# KiCad board jetson-agx-thor-baseboard.kicad_pcb (continued)
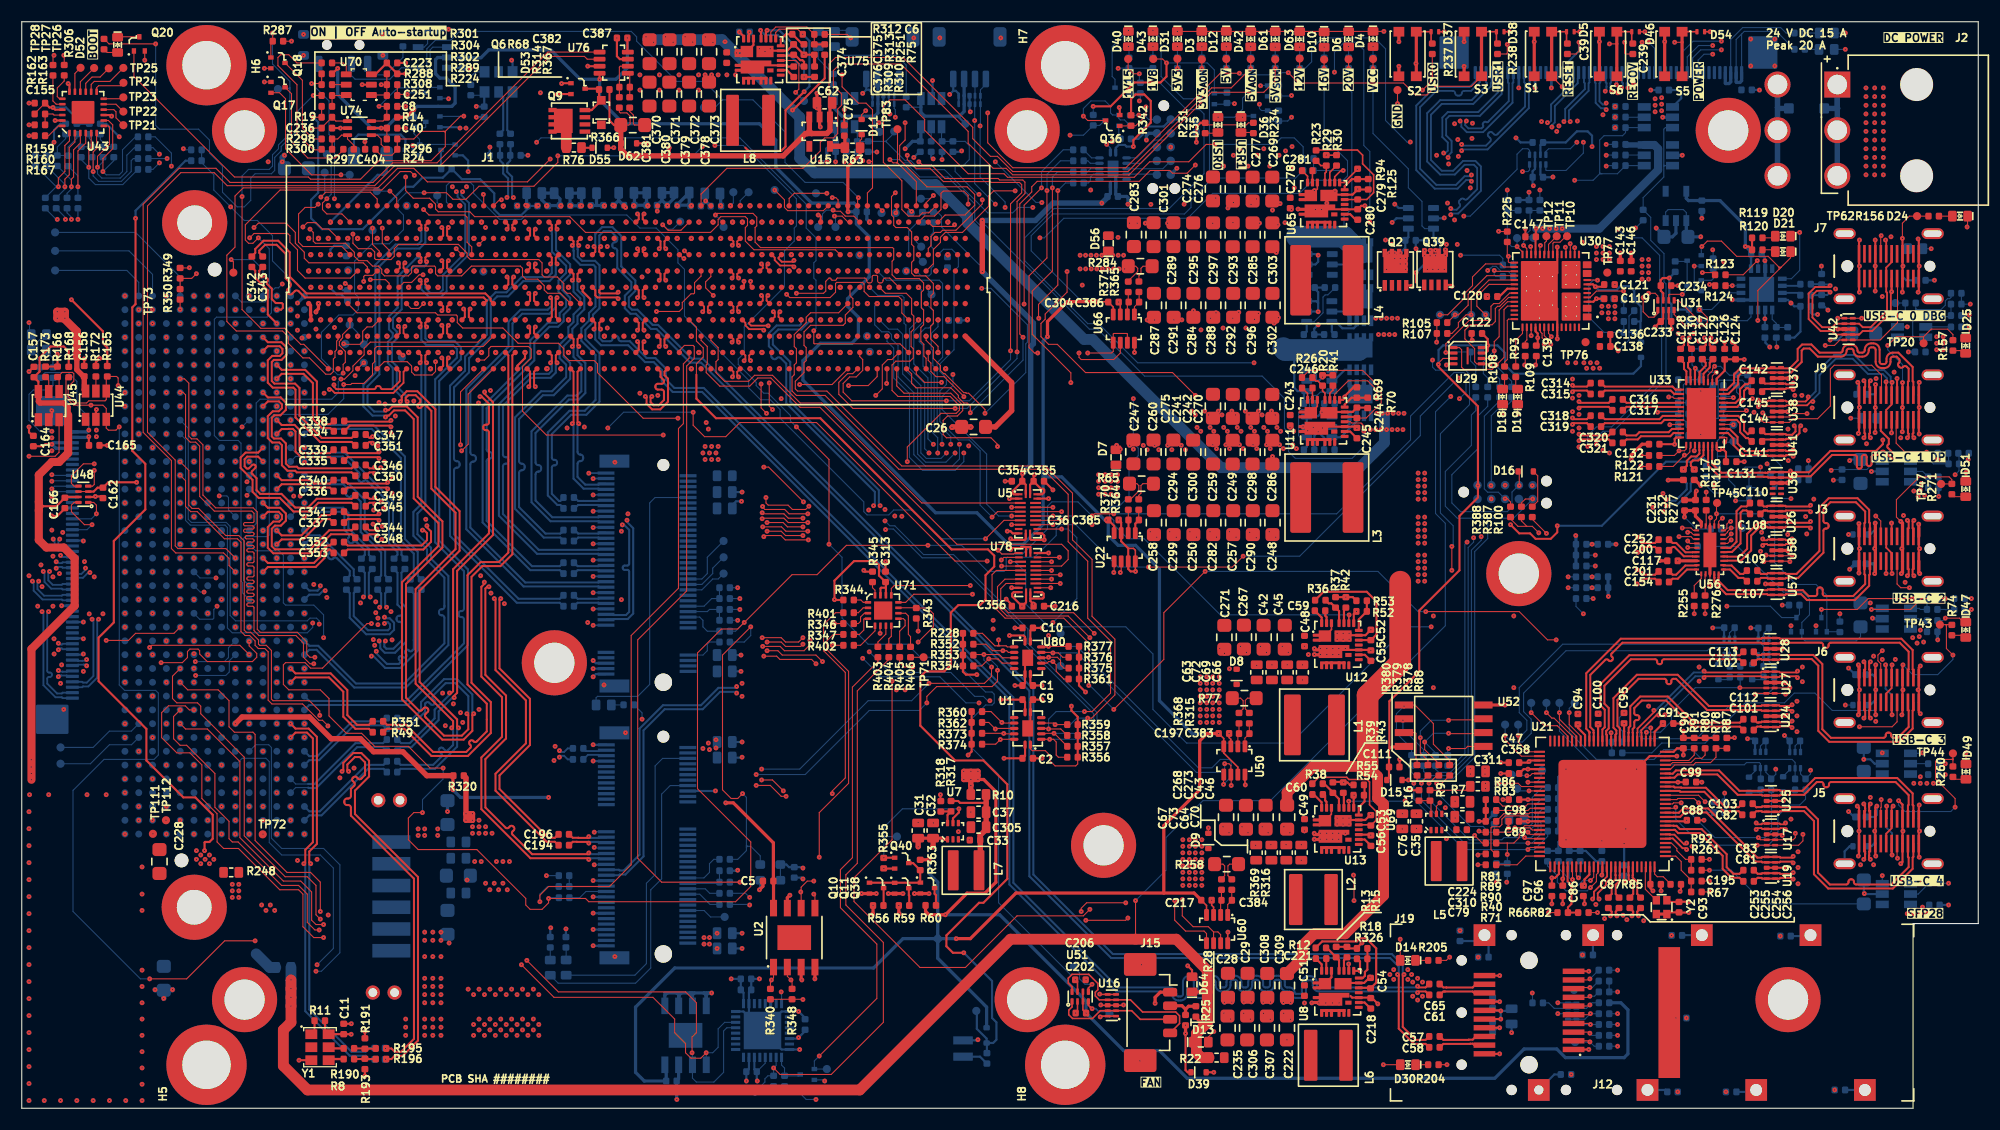
[diagram p0: board, top side]
## Library data of the parts (continued)
C34 C84 C226 C251 C261 C262 C265 C266 C359 C365 C366 C404 = -: Datasheet: https://www.murata.com/products/productdetail?partno=GRM155R61E105KE11%23; Description: SMD Multilayer Ceramic Capacitor, 1 µF, 25 V, 0402 [1005 Metric], ± 10%, X5R, GRM Series; MPN: GRM155R61E105KE11J; Manufacturer: Murata; License: Apache-2.0; Author: Antmicro; Val: 1u; Voltage: 25V; Dielectric: X5R
C37 C71 C74 C168 C170 C198 C310 = -: Datasheet: https://product.samsungsem.com/mlcc/CL10A226MO7JZN.do; Description: SMD Multilayer Ceramic Capacitor; MPN: CL10A226MO7JZNC; Manufacturer: Samsung Electro-Mechanics; License: Apache-2.0; Author: Antmicro; Val: 22u; Voltage: 16V
C50 C227-C230 = -: Datasheet: https://product.samsungsem.com/mlcc/CL21A226MAYNNN.do; Description: SMT Multilayer Ceramic Capacitor, 22uF, +/-20%, 25V, X5R, 0805 [2012 Metric]; MPN: CL21A226MAYNNNE; Val: 22u; Voltage: 25V; Dielectric: X5R; Manufacturer: Samsung Electro-Mechanics; License: Apache-2.0; Author: Antmicro; Public: False
C52-C54 C160 C161 C164 C165 C244 C279 C375 = -: Datasheet: https://product.tdk.com/en/search/capacitor/ceramic/mlcc/info?part_no=C1005X6S1A105K050BC; Description: SMD Multilayer Ceramic Capacitor, 1 µF, 10 V, 0402 [1005 Metric], ± 10%, X6S, C; Manufacturer: TDK; MPN: C1005X6S1A105K050BC; Val: 1u; License: Apache-2.0; Author: Antmicro
C55 C56 C218 C245 C280 C376 = -: Datasheet: https://www.murata.com/products/productdetail?partno=GRM155C61E475ME15%23; Description: SMD Multilayer Ceramic Capacitor; MPN: GRM155C61E475ME15J; Manufacturer: Murata; License: Apache-2.0; Author: Antmicro; Val: 4u7; Voltage: 25V; Dielectric: X5S
C57 C58 C61 C65 = -: Datasheet: https://www.murata.com/products/productdetail?partno=GRM155R61H104KE14%23; Description: SMD Multilayer Ceramic Capacitor, 0.1 µF, 50 V, 0402 [1005 Metric], ± 10%, X5R, GRM Series; Manufacturer: Murata; MPN: GRM155R61H104KE14D; Val: 100n; License: Apache-2.0; Author: Antmicro; Voltage: 50V; Dielectric: X5R; Public: False
C62-C64 C66 C67 C69 C70 C72 C73 C311 C312 = -: Datasheet: https://product.samsungsem.com/mlcc/CL10A226MO7JZN.do; Description: SMD Multilayer Ceramic Capacitor; Manufacturer: Samsung Electro-Mechanics; MPN: CL10A226MO7JZNC; Val: 22u; License: Apache-2.0; Author: Antmicro; Voltage: 16V
C75 C118 C120 C121 C124 C135 C139 C147 = -: Datasheet: https://www.yageo.com/en/Chart/Download/pdf/CC0402MRX5R5BB106; Description: SMD Multilayer Ceramic Capacitor, 10 µF, 6.3 V, 0402 [1005 Metric], ± 20%, X5R, CC Series; MPN: CC0402MRX5R5BB106; Manufacturer: YAGEO; License: Apache-2.0; Author: Antmicro; Val: 10u
C136 C143 C152 C153 C233 C234 = -: Datasheet: https://www.murata.com/products/productdetail?partno=GRM155R61H104KE14%23; Description: SMD Multilayer Ceramic Capacitor, 0.1 µF, 50 V, 0402 [1005 Metric], ± 10%, X5R, GRM Series; MPN: GRM155R61H104KE14D; Manufacturer: Murata; Val: 100n; License: Apache-2.0; Author: Antmicro; Voltage: 50V; Dielectric: X5R
C138 C146 = -: Datasheet: https://www.murata.com/products/productdetail?partno=GRM155C61E475ME15%23; Description: SMD Multilayer Ceramic Capacitor; Manufacturer: Murata; MPN: GRM155C61E475ME15J; Val: 4u7; License: Apache-2.0; Author: Antmicro; Voltage: 25V; Dielectric: X5S
C149 C150 = -: Datasheet: https://www.kemet.com/en/us/capacitors/product/C0402C470J5GACTU.html; Description: SMD Multilayer Ceramic Capacitor, 47 pF, 50 V, 0402 [1005 Metric], ± 5%, C0G / NP0, C Series KEMET; MPN: C0402C470J5GACTU; Manufacturer: KEMET; License: Apache-2.0; Author: Antmicro; Val: 47p; Dielectric: C0G
C181-C188 C194 C196 C211-C214 C219 C220 = -: Datasheet: https://www.yageo.com/en/Chart/Download/pdf/CC0402KRX5R6BB224; Description: SMD Multilayer Ceramic Capacitor, 0.22 µF, 10 V, 0402 [1005 Metric], ± 10%, X5R, CC Series; MPN: CC0402KRX5R6BB224; Val: 220n; Voltage: 25V; Dielectric: X7R; Manufacturer: YAGEO; License: Apache-2.0; Author: Antmicro; Public: False
C190-C193 = -: Datasheet: https://product.samsungsem.com/mlcc/CL10A226MO7JZN.do; Description: SMD Multilayer Ceramic Capacitor; Manufacturer: Samsung Electro-Mechanics; MPN: CL10A226MO7JZNC; Val: 22u; License: Apache-2.0; Author: Antmicro; Voltage: 16V; Dielectric: template_dielectric
C195 = -: Datasheet: https://www.murata.com/products/productdetail?partno=GRM1555C1H102JA01%23; Description: SMD Multilayer Ceramic Capacitor, 1000 pF, 50 V, 0402 [1005 Metric], ± 5%, C0G / NP0, GRM Series; MPN: GRM1555C1H102JA01D; Manufacturer: Murata; License: Apache-2.0; Author: Antmicro; Val: 1n; Voltage: 50V; Dielectric: C0G
C207 = -: Datasheet: https://www.yageo.com/en/Chart/Download/pdf/CC0402MRX5R5BB106; Description: SMD Multilayer Ceramic Capacitor, 10 µF, 6.3 V, 0402 [1005 Metric], ± 20%, X5R, CC Series; MPN: CC0402MRX5R5BB106; Manufacturer: YAGEO; License: Apache-2.0; Author: Antmicro; Val: 10u; Voltage: 16V
C224 C305 = -: Datasheet: https://product.samsungsem.com/mlcc/CL10A226MO7JZN.do; Description: SMD Multilayer Ceramic Capacitor; Val: 22u; MPN: CL10A226MO7JZNC; Manufacturer: Samsung Electro-Mechanics; License: Apache-2.0; Author: Antmicro; Voltage: 16V
C231 = -: Datasheet: https://www.yageo.com/en/Chart/Download/pdf/CC0402MRX5R5BB106; Description: SMD Multilayer Ceramic Capacitor, 10 µF, 6.3 V, 0402 [1005 Metric], ± 20%, X5R, CC Series; Manufacturer: YAGEO; MPN: CC0402MRX5R5BB106; Val: 10u; License: Apache-2.0; Author: Antmicro; Dielectric: template_dielectric
D1 D15-D17 D57-D60 = -: Datasheet: https://www.onsemi.com/pdf/datasheet/rb521s30t1-d.pdf; Description: Small Signal Schottky Diode, Single, 30 V, 200 mA, 500 mV, 1 A, 125 °C; Manufacturer: ON Semiconductor; Author: Antmicro; License: Apache-2.0
D2 = -: Datasheet: https://www.mouser.com/datasheet/2/916/PTVSXS1UR_SER-1545507.pdf; Description: Unidirectional TVS, 8 kV,  SOD-123F, 26 V, 400 W; Manufacturer: Nexperia; Author: Antmicro; License: Apache-2.0
D3 D4 D6 D10 D12 D14 D18-D21 D24-D29 D31 D32 D35 D36 D40-D44 D47 D49 D51 D61 D63 = -: Datasheet: https://media.digikey.com/pdf/Data%20Sheets/Lite-On%20PDFs/LTST-C190GKT.pdf; Description: LED, Green, SMD, 0603, 20 mA, 2.1 V, 569 nm; MPN: LTST-C190GKT; Manufacturer: Lite-On; Author: Antmicro; License: Apache-2.0; Color: Green
D5 D37 D38 D46 D54 = -: Datasheet: https://www.ti.com/general/docs/suppproductinfo.tsp?distId=26&gotoUrl=https://www.ti.com/lit/gpn/tpd1e0b04; Description: Bidirectional TVS, 8 kV,  XDFN-2, 3.6 V, 0.18 pF; MPN: TPD1E0B04DPYR; Manufacturer: Texas Instruments; Author: Antmicro; License: Apache-2.0
D7 D13 D22 D23 D56 D64 = -: Datasheet: https://www.st.com/resource/en/datasheet/esda25p35-1u1m.pdf; Description: Unidirectional TVS, 30 kV, QFN-2L, 22 V, 195 pF; Manufacturer: STMicroelectronics; Author: Antmicro; License: Apache-2.0
D8 D9 D11 D39 D45 D48 D50 D55 D62 = -: Datasheet: https://assets.nexperia.com/documents/data-sheet/PESD5Z5_0.pdf; Description: Unidirectional TVS, 30 kV,  SOD-523, 5 V, 89 pF; Manufacturer: Nexperia; Author: Antmicro; License: Apache-2.0
D30 = -: Datasheet: https://optoelectronics.liteon.com/upload/download/DS22-2000-224/LTST-C191KSKT.PDF; Description: LED, Yellow, SMD, 0603, 30 mA, 2.1 V, 588 nm; MPN: LTST-C191KSKT; Manufacturer: Lite-On; Color: Yellow; Author: Antmicro; License: Apache-2.0
D33 D34 = -: Datasheet: https://media.digikey.com/pdf/Data%20Sheets/Lite-On%20PDFs/LTST-C190GKT.pdf; Description: LED, Green, SMD, 0603, 20 mA, 2.1 V, 569 nm; MPN: LTST-C190GKT; Manufacturer: Lite-On; Author: Antmicro; License: Apache-2.0; Public: False; Color: Green
D52 = -: Datasheet: https://media.digikey.com/pdf/Data%20Sheets/Lite-On%20PDFs/LTST-C190GKT.pdf; Description: LED, Green, SMD, 0603, 20 mA, 2.1 V, 569 nm; MPN: LTST-C190GKT; Manufacturer: Lite-On; Color: Green; Author: Antmicro; License: Apache-2.0
D53 = -: Datasheet: https://www.mouser.com/datasheet/2/345/bzt52bxxsv_series-2301278.pdf; Description: Zener Single Diode, AEC-Q101, 15 V, 500 mW, SOD-323, 2 Pins, 150 °C, Surface Mount; Manufacturer: Rectron; Author: Antmicro; License: Apache-2.0
H1-H4 H11-H13 = -: Datasheet: https://www.we-online.com/components/products/datasheet/9774065151R.pdf; Description: Standoff, Steel, M2.5, Hex Female-Female, 6.5 mm, 7.9 mm, WA-SMSI Series; Manufacturer: Würth Elektronik; MPN: 9774065151R; Author: Antmicro; License: Apache-2.0
H5-H8 = -: Datasheet: https://www.we-online.com/components/products/datasheet/9774040960R.pdf; Description: Spacer, SMT, Non Stop, Steel, Swage Round, 6 mm x 4 mm, 3.3 mm Internal, WA-SMST Series; Manufacturer: Würth Elektronik; MPN: 9774040960R; Author: Antmicro; License: Apache-2.0
H9 H10 = -: Datasheet: https://www.we-online.com/components/products/datasheet/9774025151R.pdf; Description: Spacer, SMT, Non Stop, Steel, Swage Round, 5.1 mm x 2.5 mm, M2.5 Thread, WA-SMSI Series; Manufacturer: Würth Elektronik; MPN: 9774025151R; Author: Antmicro; License: Apache-2.0
J1 = -: Datasheet: https://www.molex.com/content/dam/molex/molex-dot-com/products/automated/en-us/salesdrawingpdf/203/203456/2034560003_sd.pdf?inline; Description: Mirror Mezz Hermaphroditic Connector, 5.50mm Connector Height, BGA-Attach Mounting, 7 Pair, 11 Row, 699 Circuits, 0.76µm Gold Plating, without Pegs; MPN: 203456-0003; Manufacturer: Molex; Author: Antmicro; License: Apache-2.0
J2 = -: Datasheet: https://www.molex.com/content/dam/molex/molex-dot-com/products/automated/en-us/salesdrawingpdf/556/5569/050362462_sd.pdf?inline; Description: Pin Header, Wire-to-Board, 2 Rows, 6 Contacts, Through Hole Right-Angle, Mini-Fit, 13A/pin, 600V, 4.2mm; MPN: 50362462; Manufacturer: Molex; Author: Antmicro; License: Apache-2.0
J3 J5-J7 J9 = -: Datasheet: https://www.kycon.com/Pub_Eng_Draw/KUSBX-SL2-CS1N24-B-TR.pdf; Description: USB-C (USB TYPE-C) USB 3.2 Gen 2 (USB 3.1 Gen 2, Superspeed + (USB 3.1)) USB PD Receptacle Connector 24 Position Surface Mount; MPN: KUSBX-SL2-CS1N24-B-TR; Manufacturer: Kycon; License: Apache-2.0; Author: Antmicro
J4 J20 = -: Datasheet: https://www.tag-connect.com/wp-content/uploads/bsk-pdf-manager/TC2050-IDC-NL_Datasheet_8.pdf; Description: Tag Connect 2x5 1.27mm terminal; MPN: TC2050-IDC-NL; Manufacturer: Tag Connect; Author: Antmicro; License: Apache-2.0
J8 = -: Datasheet: https://suddendocs.samtec.com/catalog_english/umpt.pdf; Description: 2.00 mm mPOWER® Ultra Micro Power Terminal, Vertical; MPN: UMPT-06-06.5-G-V-S-W-TR; Manufacturer: Samtec; Author: Antmicro; License: Apache-2.0
J10 J11 = -: Datasheet: https://www.we-online.com/components/products/datasheet/68715014522.pdf; Description: FFC connector; MPN: 68715014522; Manufacturer: Würth Elektronik; Author: Antmicro; License: Apache-2.0
J12 = -: Datasheet: https://cdn.amphenol-cs.com/media/wysiwyg/files/documentation/datasheet/inputoutput/hsio_cn_ultraport_sfp.pdf; Description: 20 Position SFP28 Receptacle with no Cage, Right Angle; MPN: UE763GA202600T; Manufacturer: Amphenol; Author: Antmicro; License: Apache-2.0
J13 = -: Datasheet: https://www.te.com/commerce/DocumentDelivery/DDEController?Action=srchrtrv&DocNm=2199230&DocType=Customer+Drawing&DocLang=English; Description: Key M Card Edge Connector, 0, Dual Side, 67 Contacts, Surface Mount, Right Angle, Solder; Manufacturer: TE Connectivity; MPN: 1-2199230-6; Author: Antmicro; License: Apache-2.0
J14 = -: Datasheet: https://eu.mouser.com/datasheet/2/418/9/ENG_DS_1_1773702_1NGFFQRG_EN_0214_1_1773702_1NGFF_-3328593.pdf; Description: Key E, PCI connector; MPN: 2199230-2; Manufacturer: TE Connectivity; Author: Antmicro; License: Apache-2.0
J15 = -: Datasheet: https://www.molex.com/molex/products/part-detail/pcb_headers/0533980471; Description: Pin Header, Vertical, Signal, 1.25 mm, 1 Rows, 4 Contacts, Surface Mount Straight; MPN: 0533980471; Manufacturer: Molex; Author: Antmicro; License: Apache-2.0
J16 J17 = -: Datasheet: https://www.jst-mfg.com/product/pdf/eng/eSH.pdf; Description: Pin Header, Right Angle, Wire-to-Board, 1 mm, 1 Rows, 4 Contacts, Surface Mount Right Angle, SH; MPN: SM04B-SRSS-TB(LF)(SN); Manufacturer: JST Automotive Connectors; Author: Antmicro; License: Apache-2.0
J18 = -: Datasheet: https://suddendocs.samtec.com/prints/asp-218650-01-mkt.pdf; Description: FMC connector; MPN: ASP-218650-01; Manufacturer: Samtec; Author: Antmicro; License: Apache-2.0
J19 = -: Datasheet: https://cdn.amphenol-cs.com/media/wysiwyg/files/documentation/datasheet/inputoutput/hsio_cn_ultraport_sfp.pdf; Description: SFP28 Receptacle Cage; MPN: U773GC16382071; Manufacturer: Amphenol; Author: Antmicro; License: Apache-2.0
L1 = -: Datasheet: https://www.bourns.com/docs/Product-Datasheets/SRP6050CA.pdf; Description: Power Inductor (SMT), 1 µH, 20 A, Shielded, 23 A, SRP6050CA; Val: 1u/20A; Manufacturer: Bourns; MPN: SRP6050CA-1R0M; ISat: 23 A; IMax: 20 A; Size: 6.6x6.4; Author: Antmicro; License: Apache-2.0
L2 = -: Datasheet: https://www.bourns.com/docs/Product-Datasheets/SRP5030CA.pdf; Description: Power Inductor (SMT), 560 nH, 17.7 A, Shielded, 22.2 A, SRP5030CA; Val: 560n/17.7A; Manufacturer: Bourns; MPN: SRP5030CA-R56M; ISat: 22.2 A; IMax: 17.7 A; Size: 5.5x5.3; Author: Antmicro; License: Apache-2.0
L3 L4 = -: Datasheet: https://www.coilcraft.com/en-us/products/power/shielded-inductors/molded-inductor/xal/xal7070/xal7070-332/; Description: Power Inductor (SMD), 3.3 µH, 15.1 A, Shielded, 19.4 A, XAL7070; Val: 3u3/15.1A; Manufacturer: Coilcraft; MPN: XAL7070-332MEB; ISat: 19.4 A; IMax: 15.1 A; Size: 7.7x8; Author: Antmicro; License: Apache-2.0
L5 L7 = -: Datasheet: https://www.we-online.com/components/products/datasheet/74438356018.pdf; Description: Power Inductors - SMD WE-MAPI 1.8uH 4.6A DCR=30mOhms AEC-Q200; Val: 1u8/6.8A; Manufacturer: Würth Elektronik; MPN: 74438356018; ISat: 6.5 A; IMax: 6.8 A; Size: 4.1x4.1mm; Author: Antmicro; License: Apache-2.0
L6 = -: Datasheet: https://www.monolithicpower.com/en/documentview/productdocument/index/version/2/document_type/Datasheet/lang/en/sku/MPL-AL5050-6R8/document_id/5811/; Description: Power Inductor (SMT), 6.8 µH, 6.1 A, Shielded, 7.6 A, MPL-AL; Val: 6u8/6.1A; Manufacturer: Monolithic Power Systems; MPN: MPL-AL5050-6R8; ISat: 7.6 A; IMax: 6.1 A; Size: 5.5x5.3; Author: Antmicro; License: Apache-2.0
L8 = -: Datasheet: https://www.coilcraft.com/getmedia/49bc46c8-4b2c-45b9-9b6c-2eaa235ea698/xal50xx.pdf; Description: Power Inductor (SMD), 3.3 µH, Imax: 8.1 A, Shielded, Isat: 8.7 A, XAL5030; Val: 3u3/8.1A; Manufacturer: Coilcraft; MPN: XAL5030-332MEB; ISat: 8.7 A; IMax: 8.1 A; Size: 5.28x5.48; Author: Antmicro; License: Apache-2.0
Q1 Q3 Q4 Q6-Q8 Q10-Q20 Q22 Q28 Q34-Q38 Q40 = -: Datasheet: https://www.diodes.com/assets/Datasheets/ds31783.pdf; Description: Power MOSFET, N Channel, 20 V, 630 mA, 0.3 ohm, SOT-523, Surface Mount; Manufacturer: Diodes Incorporated; Author: Antmicro; License: Apache-2.0
Q2 Q5 Q9 Q23-Q25 Q39 = -: Datasheet: https://www.vishay.com/docs/77029/siss05dn.pdf; Description: Power MOSFET, P Channel, 30 V, 108 A, 0.0035 ohm, PowerPAK 1212, Surface Mount; Manufacturer: Vishay; Author: Antmicro; License: Apache-2.0
Q21 Q26 Q27 Q29 = -: Datasheet: https://www.mouser.com/datasheet/2/115/DIOD_S_A0010038249_1-2543538.pdf; Description: Dual MOSFET, Complementary N and P Channel, 20 V, 20 V, 1.03 A, 1.03 A, 0.3 ohm; Manufacturer: Diodes Incorporated; Author: Antmicro; License: Apache-2.0
R1 R11 R20 R29 R47 R115 R194 R325 R327 R363 = -: Datasheet: https://www.bourns.com/docs/product-datasheets/cr.pdf; Description: SMD Chip Resistor, 100 kohm, ± 1%, 62.5 mW, 0402 [1005 Metric], Thick Film, General Purpose; MPN: CR0402-FX-1003GLF; Manufacturer: Bourns; License: Apache-2.0; Author: Antmicro; Val: 100k; Tolerance: 1%
R2 R3 R8 R190 = -: Datasheet: https://www.bourns.com/docs/product-datasheets/cr.pdf; Description: SMD Chip Resistor, 33 ohm, ± 1%, 62.5 mW, 0402 [1005 Metric], Thick Film, General Purpose; MPN: CR0402-FX-33R0GLF; Manufacturer: Bourns; License: Apache-2.0; Author: Antmicro; Val: 33R; Tolerance: 1%
R4 R5 R191 R193 = -: Datasheet: https://www.bourns.com/docs/product-datasheets/cr.pdf; Description: SMD Chip Resistor, 49.9 ohm, ± 1%, 62.5 mW, 0402 [1005 Metric], Thick Film, General Purpose; MPN: CR0402-FX-49R9GLF; Manufacturer: Bourns; License: Apache-2.0; Author: Antmicro; Val: 49R9; Tolerance: 1%
R6 R27 R73 R146 R153 R259 R270 = -: Datasheet: https://www.bourns.com/docs/product-datasheets/cr.pdf; Description: SMD Chip Resistor, 2.2 kohm, ± 1%, 62.5 mW, 0402 [1005 Metric], Thick Film, General Purpose; Manufacturer: Bourns; MPN: CR0402-FX-2201GLF; Val: 2k2; License: Apache-2.0; Author: Antmicro; Tolerance: 1%
R7 R10 R22 R76 R213 = -: Datasheet: https://fscdn.rohm.com/en/products/databook/datasheet/passive/resistor/chip_resistor/pmr-jpw-e.pdf; Description: SMD Chip Resistor; Manufacturer: ROHM Semiconductor; MPN: PMR03EZPJ000; Val: 0R; Author: Antmicro; License: Apache-2.0; Max. Curr.: 22.4A; Tolerance: template_tolerance
R9 R66 = -: Datasheet: https://www.bourns.com/docs/product-datasheets/cr.pdf; Description: SMD Chip Resistor, 11 kohm, ± 1%, 62.5 mW, 0402 [1005 Metric], Thick Film, General Purpose; MPN: CR0402-FX-1102GLF; Manufacturer: Bourns; License: Apache-2.0; Author: Antmicro; Val: 11k; Tolerance: 1%
R12 R13 R19 R23 R26 R36-R39 R309 = -: Datasheet: https://www.mouser.com/datasheet/2/54/cr-1858361.pdf; Description: SMD Chip Resistor, 499 kohm, ± 1%, 63 mW, 0402 [1005 Metric], Thick Film, General Purpose; MPN: CR0402-FX-4993GLF; Manufacturer: Bourns; License: Apache-2.0; Author: Antmicro; Val: 499k; Tolerance: 1%
R14 R18 R24 R53 R55 R70 R72 R81 R83 R84 R86 R98 R125 R126 R224 R230 R232 R273-R275 R285 R287 R299 R300 R303 R304 R307 R313 R319 R328 R329 R332-R335 R340 R342 R348 R349 = -: Datasheet: https://www.bourns.com/docs/product-datasheets/cr.pdf; Description: SMD Chip Resistor, 10 kohm, ± 1%, 62.5 mW, 0402 [1005 Metric], Thick Film, General Purpose; MPN: CR0402-FX-1002GLF; Manufacturer: Bourns; License: Apache-2.0; Author: Antmicro; Val: 10k; Tolerance: 1%
R15 R311 = -: Datasheet: https://www.bourns.com/docs/product-datasheets/cr.pdf; Description: SMD Chip Resistor, 51 kohm, ± 1%, 63 mW, 0402 [1005 Metric], Thick Film, General Purpose; MPN: CR0402-FX-5102GLF; Manufacturer: Bourns; License: Apache-2.0; Author: Antmicro; Val: 51k; Tolerance: 1%
R16 = -: Datasheet: https://www.bourns.com/docs/product-datasheets/cr.pdf; Description: SMD Chip Resistor, 12 kohm, ± 1%, 62.5 mW, 0402 [1005 Metric], Thick Film, General Purpose; MPN: CR0402-FX-1202GLF; Manufacturer: Bourns; License: Apache-2.0; Author: Antmicro; Val: 12k; Tolerance: 1%; Current: 1A
R17 R51 R164 R171 R228 R352-R354 R356-R362 R373-R377 R389-R394 = -: Datasheet: https://www.bourns.com/docs/product-datasheets/cr.pdf; Description: SMD Chip Resistor, 2.2 kohm, ± 1%, 62.5 mW, 0402 [1005 Metric], Thick Film, General Purpose; MPN: CR0402-FX-2201GLF; Manufacturer: Bourns; License: Apache-2.0; Author: Antmicro; Val: 2k2; Tolerance: 1%
R21 R40 R46 R48 R57 R58 R62 R89 R90 R93 R106 R110-R112 R118 R121-R124 R142 R143 R149 R151 R158-R163 R169 R170 R227 R252 R253 R268 R276 R277 R281-R283 R344 R345 = -: Datasheet: https://industrial.panasonic.com/cdbs/www-data/pdf/RDA0000/AOA0000C301.pdf; Description: SMD Chip Resistor, Jumper, 0 ohm, 100 mW, 0402 [1005 Metric], Thick Film, General Purpose; Manufacturer: Panasonic; MPN: ERJ2GE0R00X; Val: 0R; License: Apache-2.0; Author: Antmicro; Current: 1A
R25 R28 R49 R71 R88 R99-R101 R181 R184-R187 R195 R196 R198 R199 R201 R202 R206-R208 R214-R217 R290-R295 R297 R298 R301 R302 R320 R339 R341 R346 R347 R351 R378-R388 R395-R406 = -: Datasheet: https://industrial.panasonic.com/cdbs/www-data/pdf/RDA0000/AOA0000C301.pdf; Description: SMD Chip Resistor, Jumper, 0 ohm, 100 mW, 0402 [1005 Metric], Thick Film, General Purpose; MPN: ERJ2GE0R00X; Manufacturer: Panasonic; License: Apache-2.0; Author: Antmicro; Val: 0R; Current: 1A
R30 R41-R43 R78 R80 R91 R310 R322 R324 = -: Datasheet: https://www.bourns.com/docs/product-datasheets/cr.pdf; Description: SMD Chip Resistor, 200 kohm, ± 1%, 62.5 mW, 0402 [1005 Metric], Thick Film, General Purpose; MPN: CR0402-FX-2003GLF; Manufacturer: Bourns; License: Apache-2.0; Author: Antmicro; Val: 200k; Tolerance: 1%
R31 R318 = -: Datasheet: https://www.bourns.com/docs/product-datasheets/cr.pdf; Description: SMD Chip Resistor, 15 kohm, ± 1%, 62.5 mW, 0402 [1005 Metric], Thick Film, General Purpose; MPN: CR0402-FX-1502GLF; Manufacturer: Bourns; License: Apache-2.0; Author: Antmicro; Val: 15k; Tolerance: 1%
R32 R108 R109 R119 R120 R177 R182 R211 R231 R234 R242 R246 = -: Datasheet: https://www.bourns.com/docs/product-datasheets/cr.pdf; Description: SMD Chip Resistor, 200 ohm, ± 1%, 62.5 mW, 0402 [1005 Metric], Thick Film, General Purpose; Manufacturer: Bourns; MPN: CR0402-FX-2000GLF; Val: 200R; License: Apache-2.0; Author: Antmicro; Tolerance: 1%
R33 R247-R250 = -: Datasheet: https://fscdn.rohm.com/en/products/databook/datasheet/passive/resistor/chip_resistor/pmr-jpw-e.pdf; Description: SMD Chip Resistor; MPN: PMR03EZPJ000; Manufacturer: ROHM Semiconductor; Val: 0R; Max. Curr.: 22.4A; Author: Antmicro; License: Apache-2.0; Tolerance: template_tolerance
R34 R75 R82 R92 R262 = -: Datasheet: https://www.bourns.com/docs/product-datasheets/cr.pdf; Description: SMD Chip Resistor, 49.9 kohm, ± 1%, 63 mW, 0402 [1005 Metric], Thick Film, General Purpose; MPN: CR0402-FX-4992GLF; Manufacturer: Bourns; License: Apache-2.0; Author: Antmicro; Val: 49k9; Tolerance: 1%
R35 R50 R56 R59-R61 R64 R306 = -: Datasheet: https://www.bourns.com/docs/product-datasheets/cr.pdf; Description: SMD Chip Resistor, 470 ohm, ± 1%, 62.5 mW, 0402 [1005 Metric], Thick Film, General Purpose; MPN: CR0402-FX-4700GLF; Manufacturer: Bourns; License: Apache-2.0; Author: Antmicro; Val: 470R; Tolerance: 1%
R52 R312 = -: Datasheet: https://www.bourns.com/docs/product-datasheets/cr.pdf; Description: SMD Chip Resistor; MPN: CR0402-FX-7322GLF; Manufacturer: Bourns; License: Apache-2.0; Author: Antmicro; Val: 73k2; Tolerance: 1%
R54 = -: Datasheet: https://www.bourns.com/docs/product-datasheets/cr.pdf; Description: SMD Chip Resistor; MPN: CR0402-FX-4532GLF; Manufacturer: Bourns; License: Apache-2.0; Author: Antmicro; Val: 45k3; Tolerance: 1%
R63 = -: Datasheet: https://fscdn.rohm.com/en/products/databook/datasheet/passive/resistor/chip_resistor/pmr-jpw-e.pdf; Description: SMD Chip Resistor; Manufacturer: ROHM Semiconductor; MPN: PMR03EZPJ000; Val: 0R; License: Apache-2.0; Author: Antmicro; Tolerance: template_tolerance; Max. Curr.: 22.4A
R65 R77 R258 R284 R366 = -: Datasheet: https://www.eaton.com/content/dam/eaton/products/electronic-components/resources/data-sheet/eaton-msma-automotive-smd-current-sense-resistor-metal-strip-data-sheet-elx1179.pdf; Description: Current Sense Resistors - SMD MSMA, 0805 SIZE, 1/2 Watt, 1 mohm, 50 TCR MnCu Metal AEC-Q; MPN: MSMA0805R0010FSM; Manufacturer: Eaton; License: Apache-2.0; Author: Antmicro; Val: 0R001; Tolerance: 1%; Public: False
R67 R68 R87 R96 R127 R144 R145 R150 R152 R165 R167 R168 R174 R176 R235 R237 R238 R241 R243 R245 R254 R256 R266 R269 R278 R321 R323 R338 R343 R355 = -: Datasheet: https://www.bourns.com/docs/product-datasheets/cr.pdf; Description: SMD Chip Resistor, 10 kohm, ± 1%, 62.5 mW, 0402 [1005 Metric], Thick Film, General Purpose; Manufacturer: Bourns; MPN: CR0402-FX-1002GLF; Val: 10k; License: Apache-2.0; Author: Antmicro; Tolerance: 1%
R69 = -: Datasheet: https://www.bourns.com/docs/product-datasheets/cr.pdf; Description: SMD Chip Resistor, 255 kohm, ± 1%, 100 mW, 0402 [1005 Metric], Thick Film, Precision; MPN: CR0402-FX-2553GLF; Manufacturer: Bourns; License: Apache-2.0; Author: Antmicro; Val: 255k; Tolerance: 1%
R74 R156 R178 R183 R257 R260 R271 = -: Datasheet: https://www.bourns.com/docs/product-datasheets/cr.pdf; Description: SMD Chip Resistor, 470 ohm, ± 1%, 62.5 mW, 0402 [1005 Metric], Thick Film, General Purpose; Manufacturer: Bourns; MPN: CR0402-FX-4700GLF; Val: 470R; License: Apache-2.0; Author: Antmicro; Tolerance: 1%
R79 R204 R205 R221 R222 = -: Datasheet: https://www.bourns.com/docs/product-datasheets/cr.pdf; Description: SMD Chip Resistor, 200 ohm, ± 1%, 62.5 mW, 0402 [1005 Metric], Thick Film, General Purpose; MPN: CR0402-FX-2000GLF; Manufacturer: Bourns; License: Apache-2.0; Author: Antmicro; Val: 200R; Tolerance: 1%
R85 = -: Datasheet: https://www.bourns.com/docs/product-datasheets/cr.pdf; Description: SMD Chip Resistor, 12 kohm, ± 1%, 62.5 mW, 0402 [1005 Metric], Thick Film, General Purpose; MPN: CR0402-FX-1202GLF; Manufacturer: Bourns; License: Apache-2.0; Author: Antmicro; Val: 12k; Tolerance: 1%
R94 = -: Datasheet: https://www.bourns.com/docs/product-datasheets/cr.pdf; Description: SMD Chip Resistor; MPN: CR0402-FX-3303GLF; Manufacturer: Bourns; License: Apache-2.0; Author: Antmicro; Val: 330k; Tolerance: 1%
R95 R97 R116 R117 R166 R175 R229 R233 R236 R244 R272 = -: Datasheet: https://www.bourns.com/docs/product-datasheets/cr.pdf; Description: SMD Chip Resistor, 100 kohm, ± 1%, 62.5 mW, 0402 [1005 Metric], Thick Film, General Purpose; Manufacturer: Bourns; MPN: CR0402-FX-1003GLF; Val: 100k; License: Apache-2.0; Author: Antmicro; Tolerance: 1%
